# KiCad board LI-ION_Charger.kicad_pcb (continued)
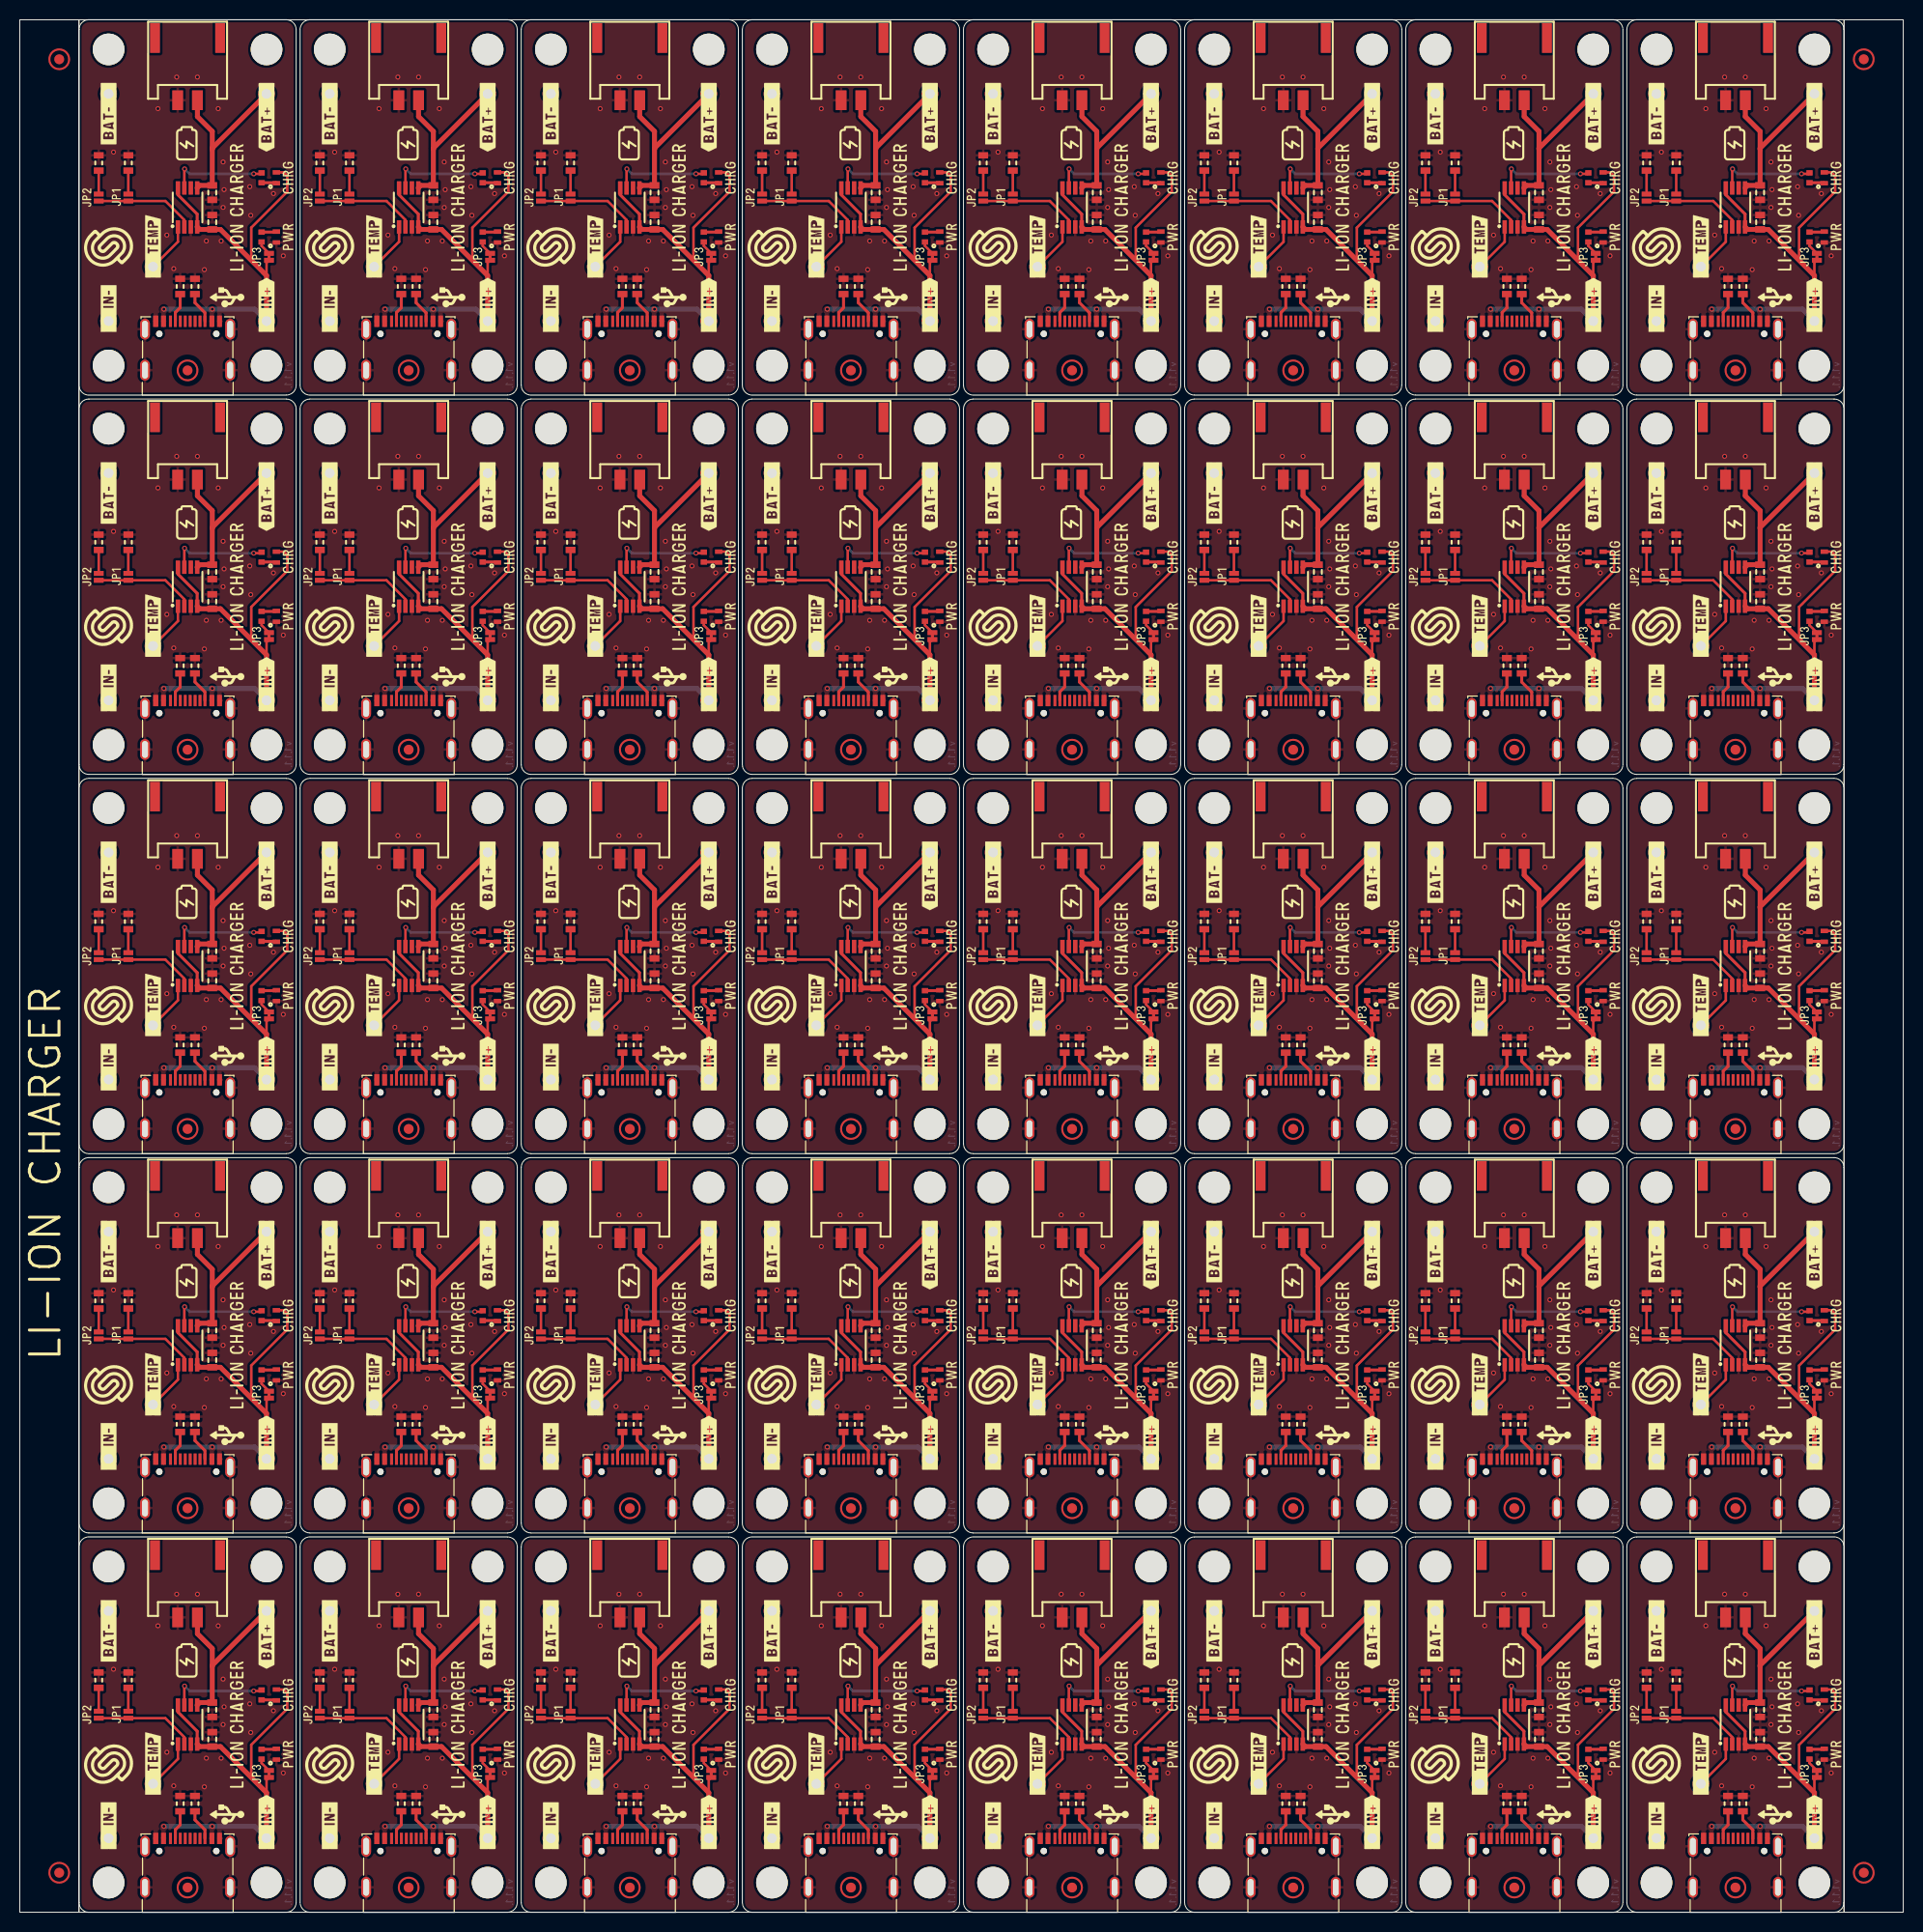
[diagram p0: board, top side]
## Nets (continued)
Net-(K1-PadB5): K1.B5 K1#2.B5 K1#3.B5 K1#4.B5 K1#5.B5 K1#6.B5 K1#7.B5 K1#8.B5 K1#9.B5 K1#10.B5 K1#11.B5 K1#12.B5 K1#13.B5 K1#14.B5 K1#15.B5 K1#16.B5 K1#17.B5 K1#18.B5 K1#19.B5 K1#20.B5 K1#21.B5 K1#22.B5 K1#23.B5 K1#24.B5 K1#25.B5 K1#26.B5 K1#27.B5 K1#28.B5 K1#29.B5 K1#30.B5 K1#31.B5 K1#32.B5 K1#33.B5 K1#34.B5 K1#35.B5 K1#36.B5 K1#37.B5 K1#38.B5 K1#39.B5 K1#40.B5 R1.1 R1#2.1 R1#3.1 R1#4.1 R1#5.1 R1#6.1 R1#7.1 R1#8.1 R1#9.1 R1#10.1 R1#11.1 R1#12.1 R1#13.1 R1#14.1 R1#15.1 R1#16.1 R1#17.1 R1#18.1 R1#19.1 R1#20.1 R1#21.1 R1#22.1 R1#23.1 R1#24.1 R1#25.1 R1#26.1 R1#27.1 R1#28.1 R1#29.1 R1#30.1 R1#31.1 R1#32.1 R1#33.1 R1#34.1 R1#35.1 R1#36.1 R1#37.1 R1#38.1 R1#39.1 R1#40.1
Net-(R5-Pad1): R5.1 R5#2.1 R5#3.1 R5#4.1 R5#5.1 R5#6.1 R5#7.1 R5#8.1 R5#9.1 R5#10.1 R5#11.1 R5#12.1 R5#13.1 R5#14.1 R5#15.1 R5#16.1 R5#17.1 R5#18.1 R5#19.1 R5#20.1 R5#21.1 R5#22.1 R5#23.1 R5#24.1 R5#25.1 R5#26.1 R5#27.1 R5#28.1 R5#29.1 R5#30.1 R5#31.1 R5#32.1 R5#33.1 R5#34.1 R5#35.1 R5#36.1 R5#37.1 R5#38.1 R5#39.1 R5#40.1 U1.7 U1#2.7 U1#3.7 U1#4.7 U1#5.7 U1#6.7 U1#7.7 U1#8.7 U1#9.7 U1#10.7 U1#11.7 U1#12.7 U1#13.7 U1#14.7 U1#15.7 U1#16.7 U1#17.7 U1#18.7 U1#19.7 U1#20.7 U1#21.7 U1#22.7 U1#23.7 U1#24.7 U1#25.7 U1#26.7 U1#27.7 U1#28.7 U1#29.7 U1#30.7 U1#31.7 U1#32.7 U1#33.7 U1#34.7 U1#35.7 U1#36.7 U1#37.7 U1#38.7 U1#39.7 U1#40.7

Pads without a net: FD1 1; FD1#2 1; FD1#3 1; FD1#4 1; FD1#5 1; FD1#6 1; FD1#7 1; FD1#8 1; FD1#9 1; FD1#10 1; FD1#11 1; FD1#12 1; FD1#13 1; FD1#14 1; FD1#15 1; FD1#16 1; FD1#17 1; FD1#18 1; FD1#19 1; FD1#20 1; FD1#21 1; FD1#22 1; FD1#23 1; FD1#24 1; FD1#25 1; FD1#26 1; FD1#27 1; FD1#28 1; FD1#29 1; FD1#30 1; FD1#31 1; FD1#32 1; FD1#33 1; FD1#34 1; FD1#35 1; FD1#36 1; FD1#37 1; FD1#38 1; FD1#39 1; FD1#40 1; FD1#41 1; FD1#42 1; FD1#43 1; FD1#44 1; K1 A6 A7 A8 B6 B7 B8; K1#2 A6 A7 A8 B6 B7 B8; K1#3 A6 A7 A8 B6 B7 B8; K1#4 A6 A7 A8 B6 B7 B8; K1#5 A6 A7 A8 B6 B7 B8; K1#6 A6 A7 A8 B6 B7 B8; K1#7 A6 A7 A8 B6 B7 B8; K1#8 A6 A7 A8 B6 B7 B8; K1#9 A6 A7 A8 B6 B7 B8; K1#10 A6 A7 A8 B6 B7 B8; K1#11 A6 A7 A8 B6 B7 B8; K1#12 A6 A7 A8 B6 B7 B8; K1#13 A6 A7 A8 B6 B7 B8; K1#14 A6 A7 A8 B6 B7 B8; K1#15 A6 A7 A8 B6 B7 B8; K1#16 A6 A7 A8 B6 B7 B8; K1#17 A6 A7 A8 B6 B7 B8; K1#18 A6 A7 A8 B6 B7 B8; K1#19 A6 A7 A8 B6 B7 B8; K1#20 A6 A7 A8 B6 B7 B8; K1#21 A6 A7 A8 B6 B7 B8; K1#22 A6 A7 A8 B6 B7 B8; K1#23 A6 A7 A8 B6 B7 B8; K1#24 A6 A7 A8 B6 B7 B8; K1#25 A6 A7 A8 B6 B7 B8; K1#26 A6 A7 A8 B6 B7 B8; K1#27 A6 A7 A8 B6 B7 B8; K1#28 A6 A7 A8 B6 B7 B8; K1#29 A6 A7 A8 B6 B7 B8; K1#30 A6 A7 A8 B6 B7 B8; K1#31 A6 A7 A8 B6 B7 B8; K1#32 A6 A7 A8 B6 B7 B8; K1#33 A6 A7 A8 B6 B7 B8; K1#34 A6 A7 A8 B6 B7 B8; K1#35 A6 A7 A8 B6 B7 B8; K1#36 A6 A7 A8 B6 B7 B8; K1#37 A6 A7 A8 B6 B7 B8; K1#38 A6 A7 A8 B6 B7 B8; K1#39 A6 A7 A8 B6 B7 B8; K1#40 A6 A7 A8 B6 B7 B8; U1 6; U1#2 6; U1#3 6; U1#4 6; U1#5 6; U1#6 6; U1#7 6; U1#8 6; U1#9 6; U1#10 6; U1#11 6; U1#12 6; U1#13 6; U1#14 6; U1#15 6; U1#16 6; U1#17 6; U1#18 6; U1#19 6; U1#20 6; U1#21 6; U1#22 6; U1#23 6; U1#24 6; U1#25 6; U1#26 6; U1#27 6; U1#28 6; U1#29 6; U1#30 6; U1#31 6; U1#32 6; U1#33 6; U1#34 6; U1#35 6; U1#36 6; U1#37 6; U1#38 6; U1#39 6; U1#40 6

## Via types
v1: diameter 0.5, hole 0.3, Top to Bottom, 840 vias

## Routing (per net, layer and track width the routed paths; a pad name or vN(x,y) marks a point on that pad's centre or on a via; arc(x,y) is an arc through that point)
GND:
  vias: v1(9.5,178.2) v1(9.5,139.8) v1(9.5,101.4) v1(9.5,63) v1(9.5,24.6) v1(14,182.6) v1(14,144.2) v1(14,105.8) v1(14,67.4) v1(14,29) v1(14.9,169.8) v1(14.9,131.4) v1(14.9,93) v1(14.9,54.6) v1(14.9,16.2) v1(15.6,166.4) v1(15.6,128) v1(15.6,89.6) v1(15.6,51.2) v1(15.6,12.8) v1(15.9,185.8) v1(15.9,147.4) v1(15.9,109) v1(15.9,70.6) v1(15.9,32.2) v1(18,185.8) v1(18,147.4) v1(18,109) v1(18,70.6) v1(18,32.2) v1(18.7,166.3) v1(18.7,127.9) v1(18.7,89.5) v1(18.7,51.1) v1(18.7,12.7) v1(18.9,169.2) v1(18.9,130.8) v1(18.9,92.4) v1(18.9,54) v1(18.9,15.6) v1(20.1,182.6) v1(20.1,144.2) v1(20.1,105.8) v1(20.1,67.4) v1(20.1,29) v1(20.4,169.2) v1(20.4,130.8) v1(20.4,92.4) v1(20.4,54) v1(20.4,15.6) v1(20.6,177.2) v1(20.6,172.6) v1(20.6,138.8) v1(20.6,134.2) v1(20.6,100.4) v1(20.6,95.8) v1(20.6,62) v1(20.6,57.4) v1(20.6,23.6) v1(20.6,19) v1(20.7,174.4) v1(20.7,136) v1(20.7,97.6) v1(20.7,59.2) v1(20.7,20.8) v1(23.3,174.7) v1(23.3,136.3) v1(23.3,97.9) v1(23.3,59.5) v1(23.3,21.1) v1(23.4,171.8) v1(23.4,133.4) v1(23.4,95) v1(23.4,56.6) v1(23.4,18.2) v1(25.7,174) v1(25.7,135.6) v1(25.7,97.2) v1(25.7,58.8) v1(25.7,20.4) v1(26.7,167.7) v1(26.7,129.3) v1(26.7,90.9) v1(26.7,52.5) v1(26.7,14.1) v1(31.9,178.2) v1(31.9,139.8) v1(31.9,101.4) v1(31.9,63) v1(31.9,24.6) v1(36.4,182.6) v1(36.4,144.2) v1(36.4,105.8) v1(36.4,67.4) v1(36.4,29) v1(37.3,169.8) v1(37.3,131.4) v1(37.3,93) v1(37.3,54.6) v1(37.3,16.2) v1(38,166.4) v1(38,128) v1(38,89.6) v1(38,51.2) v1(38,12.8) v1(38.3,185.8) v1(38.3,147.4) v1(38.3,109) v1(38.3,70.6) v1(38.3,32.2) v1(40.4,185.8) v1(40.4,147.4) v1(40.4,109) v1(40.4,70.6) v1(40.4,32.2) v1(41.1,166.3) v1(41.1,127.9) v1(41.1,89.5) v1(41.1,51.1) v1(41.1,12.7) v1(41.3,169.2) v1(41.3,130.8) v1(41.3,92.4) v1(41.3,54) v1(41.3,15.6) v1(42.5,182.6) v1(42.5,144.2) v1(42.5,105.8) v1(42.5,67.4) v1(42.5,29) v1(42.8,169.2) v1(42.8,130.8) v1(42.8,92.4) v1(42.8,54) v1(42.8,15.6) v1(43,177.2) v1(43,172.6) v1(43,138.8) v1(43,134.2) v1(43,100.4) v1(43,95.8) v1(43,62) v1(43,57.4) v1(43,23.6) v1(43,19) v1(43.1,174.4) v1(43.1,136) v1(43.1,97.6) v1(43.1,59.2) v1(43.1,20.8) v1(45.7,174.7) v1(45.7,136.3) v1(45.7,97.9) v1(45.7,59.5) v1(45.7,21.1) v1(45.8,171.8) v1(45.8,133.4) v1(45.8,95) v1(45.8,56.6) v1(45.8,18.2) v1(48.1,174) v1(48.1,135.6) v1(48.1,97.2) v1(48.1,58.8) v1(48.1,20.4) v1(49.1,167.7) v1(49.1,129.3) v1(49.1,90.9) v1(49.1,52.5) v1(49.1,14.1) v1(54.3,178.2) v1(54.3,139.8) v1(54.3,101.4) v1(54.3,63) v1(54.3,24.6) v1(58.8,182.6) v1(58.8,144.2) v1(58.8,105.8) v1(58.8,67.4) v1(58.8,29) v1(59.7,169.8) v1(59.7,131.4) v1(59.7,93) v1(59.7,54.6) v1(59.7,16.2) v1(60.4,166.4) v1(60.4,128) v1(60.4,89.6) v1(60.4,51.2) v1(60.4,12.8) v1(60.7,185.8) v1(60.7,147.4) v1(60.7,109) v1(60.7,70.6) v1(60.7,32.2) v1(62.8,185.8) v1(62.8,147.4) v1(62.8,109) v1(62.8,70.6) v1(62.8,32.2) v1(63.5,166.3) v1(63.5,127.9) v1(63.5,89.5) v1(63.5,51.1) v1(63.5,12.7) v1(63.7,169.2) v1(63.7,130.8) v1(63.7,92.4) v1(63.7,54) v1(63.7,15.6) v1(64.9,182.6) v1(64.9,144.2) v1(64.9,105.8) v1(64.9,67.4) v1(64.9,29) v1(65.2,169.2) v1(65.2,130.8) v1(65.2,92.4) v1(65.2,54) v1(65.2,15.6) v1(65.4,177.2) v1(65.4,172.6) v1(65.4,138.8) v1(65.4,134.2) v1(65.4,100.4) v1(65.4,95.8) v1(65.4,62) v1(65.4,57.4) v1(65.4,23.6) v1(65.4,19) v1(65.5,174.4) v1(65.5,136) v1(65.5,97.6) v1(65.5,59.2) v1(65.5,20.8) v1(68.1,174.7) v1(68.1,136.3) v1(68.1,97.9) v1(68.1,59.5) v1(68.1,21.1) v1(68.2,171.8) v1(68.2,133.4) v1(68.2,95) v1(68.2,56.6) v1(68.2,18.2) v1(70.5,174) v1(70.5,135.6) v1(70.5,97.2) v1(70.5,58.8) v1(70.5,20.4) v1(71.5,167.7) v1(71.5,129.3) v1(71.5,90.9) v1(71.5,52.5) v1(71.5,14.1) v1(76.7,178.2) v1(76.7,139.8) v1(76.7,101.4) v1(76.7,63) v1(76.7,24.6) v1(81.2,182.6) v1(81.2,144.2) v1(81.2,105.8) v1(81.2,67.4) v1(81.2,29) v1(82.1,169.8) v1(82.1,131.4) v1(82.1,93) v1(82.1,54.6) v1(82.1,16.2) v1(82.8,166.4) v1(82.8,128) v1(82.8,89.6) v1(82.8,51.2) v1(82.8,12.8) v1(83.1,185.8) v1(83.1,147.4) v1(83.1,109) v1(83.1,70.6) v1(83.1,32.2) v1(85.2,185.8) v1(85.2,147.4) v1(85.2,109) v1(85.2,70.6) v1(85.2,32.2) v1(85.9,166.3) v1(85.9,127.9) v1(85.9,89.5) v1(85.9,51.1) v1(85.9,12.7) v1(86.1,169.2) v1(86.1,130.8) v1(86.1,92.4) v1(86.1,54) v1(86.1,15.6) v1(87.3,182.6) v1(87.3,144.2) v1(87.3,105.8) v1(87.3,67.4) v1(87.3,29) v1(87.6,169.2) v1(87.6,130.8) v1(87.6,92.4) v1(87.6,54) v1(87.6,15.6) v1(87.8,177.2) v1(87.8,172.6) v1(87.8,138.8) v1(87.8,134.2) v1(87.8,100.4) v1(87.8,95.8) v1(87.8,62) v1(87.8,57.4) v1(87.8,23.6) v1(87.8,19) v1(87.9,174.4) v1(87.9,136) v1(87.9,97.6) v1(87.9,59.2) v1(87.9,20.8) v1(90.5,174.7) v1(90.5,136.3) v1(90.5,97.9) v1(90.5,59.5) v1(90.5,21.1) v1(90.6,171.8) v1(90.6,133.4) v1(90.6,95) v1(90.6,56.6) v1(90.6,18.2) v1(92.9,174) v1(92.9,135.6) v1(92.9,97.2) v1(92.9,58.8) v1(92.9,20.4) v1(93.9,167.7) v1(93.9,129.3) v1(93.9,90.9) v1(93.9,52.5) v1(93.9,14.1) v1(99.1,178.2) v1(99.1,139.8) v1(99.1,101.4) v1(99.1,63) v1(99.1,24.6) v1(103.6,182.6) v1(103.6,144.2) v1(103.6,105.8) v1(103.6,67.4) v1(103.6,29) v1(104.5,169.8) v1(104.5,131.4) v1(104.5,93) v1(104.5,54.6) v1(104.5,16.2) v1(105.2,166.4) v1(105.2,128) v1(105.2,89.6) v1(105.2,51.2) v1(105.2,12.8) v1(105.5,185.8) v1(105.5,147.4) v1(105.5,109) v1(105.5,70.6) v1(105.5,32.2) v1(107.6,185.8) v1(107.6,147.4) v1(107.6,109) v1(107.6,70.6) v1(107.6,32.2) v1(108.3,166.3) v1(108.3,127.9) v1(108.3,89.5) v1(108.3,51.1) v1(108.3,12.7) v1(108.5,169.2) v1(108.5,130.8) v1(108.5,92.4) v1(108.5,54) v1(108.5,15.6) v1(109.7,182.6) v1(109.7,144.2) v1(109.7,105.8) v1(109.7,67.4) v1(109.7,29) v1(110,169.2) v1(110,130.8) v1(110,92.4) v1(110,54) v1(110,15.6) v1(110.2,177.2) v1(110.2,172.6) v1(110.2,138.8) v1(110.2,134.2) v1(110.2,100.4) v1(110.2,95.8) v1(110.2,62) v1(110.2,57.4) v1(110.2,23.6) v1(110.2,19) v1(110.3,174.4) v1(110.3,136) v1(110.3,97.6) v1(110.3,59.2) v1(110.3,20.8) v1(112.9,174.7) v1(112.9,136.3) v1(112.9,97.9) v1(112.9,59.5) v1(112.9,21.1) v1(113,171.8) v1(113,133.4) v1(113,95) v1(113,56.6) v1(113,18.2) v1(115.3,174) v1(115.3,135.6) v1(115.3,97.2) v1(115.3,58.8) v1(115.3,20.4) v1(116.3,167.7) v1(116.3,129.3) v1(116.3,90.9) v1(116.3,52.5) v1(116.3,14.1) v1(121.5,178.2) v1(121.5,139.8) v1(121.5,101.4) v1(121.5,63) v1(121.5,24.6) v1(126,182.6) v1(126,144.2) v1(126,105.8) v1(126,67.4) v1(126,29) v1(126.9,169.8) v1(126.9,131.4) v1(126.9,93) v1(126.9,54.6) v1(126.9,16.2) v1(127.6,166.4) v1(127.6,128) v1(127.6,89.6) v1(127.6,51.2) v1(127.6,12.8) v1(127.9,185.8) v1(127.9,147.4) v1(127.9,109) v1(127.9,70.6) v1(127.9,32.2) v1(130,185.8) v1(130,147.4) v1(130,109) v1(130,70.6) v1(130,32.2) v1(130.7,166.3) v1(130.7,127.9) v1(130.7,89.5) v1(130.7,51.1) v1(130.7,12.7) v1(130.9,169.2) v1(130.9,130.8) v1(130.9,92.4) v1(130.9,54) v1(130.9,15.6) v1(132.1,182.6) v1(132.1,144.2) v1(132.1,105.8) v1(132.1,67.4) v1(132.1,29) v1(132.4,169.2) v1(132.4,130.8) v1(132.4,92.4) v1(132.4,54) v1(132.4,15.6) v1(132.6,177.2) v1(132.6,172.6) v1(132.6,138.8) v1(132.6,134.2) v1(132.6,100.4) v1(132.6,95.8) v1(132.6,62) v1(132.6,57.4) v1(132.6,23.6) v1(132.6,19) v1(132.7,174.4) v1(132.7,136) v1(132.7,97.6) v1(132.7,59.2) v1(132.7,20.8) v1(135.3,174.7) v1(135.3,136.3) v1(135.3,97.9) v1(135.3,59.5) v1(135.3,21.1) v1(135.4,171.8) v1(135.4,133.4) v1(135.4,95) v1(135.4,56.6) v1(135.4,18.2) v1(137.7,174) v1(137.7,135.6) v1(137.7,97.2) v1(137.7,58.8) v1(137.7,20.4) v1(138.7,167.7) v1(138.7,129.3) v1(138.7,90.9) v1(138.7,52.5) v1(138.7,14.1) v1(143.9,178.2) v1(143.9,139.8) v1(143.9,101.4) v1(143.9,63) v1(143.9,24.6) v1(148.4,182.6) v1(148.4,144.2) v1(148.4,105.8) v1(148.4,67.4) v1(148.4,29) v1(149.3,169.8) v1(149.3,131.4) v1(149.3,93) v1(149.3,54.6) v1(149.3,16.2) v1(150,166.4) v1(150,128) v1(150,89.6) v1(150,51.2) v1(150,12.8) v1(150.3,185.8) v1(150.3,147.4) v1(150.3,109) v1(150.3,70.6) v1(150.3,32.2) v1(152.4,185.8) v1(152.4,147.4) v1(152.4,109) v1(152.4,70.6) v1(152.4,32.2) v1(153.1,166.3) v1(153.1,127.9) v1(153.1,89.5) v1(153.1,51.1) v1(153.1,12.7) v1(153.3,169.2) v1(153.3,130.8) v1(153.3,92.4) v1(153.3,54) v1(153.3,15.6) v1(154.5,182.6) v1(154.5,144.2) v1(154.5,105.8) v1(154.5,67.4) v1(154.5,29) v1(154.8,169.2) v1(154.8,130.8) v1(154.8,92.4) v1(154.8,54) v1(154.8,15.6) v1(155,177.2) v1(155,172.6) v1(155,138.8) v1(155,134.2) v1(155,100.4) v1(155,95.8) v1(155,62) v1(155,57.4) v1(155,23.6) v1(155,19) v1(155.1,174.4) v1(155.1,136) v1(155.1,97.6) v1(155.1,59.2) v1(155.1,20.8) v1(157.7,174.7) v1(157.7,136.3) v1(157.7,97.9) v1(157.7,59.5) v1(157.7,21.1) v1(157.8,171.8) v1(157.8,133.4) v1(157.8,95) v1(157.8,56.6) v1(157.8,18.2) v1(160.1,174) v1(160.1,135.6) v1(160.1,97.2) v1(160.1,58.8) v1(160.1,20.4) v1(161.1,167.7) v1(161.1,129.3) v1(161.1,90.9) v1(161.1,52.5) v1(161.1,14.1) v1(166.3,178.2) v1(166.3,139.8) v1(166.3,101.4) v1(166.3,63) v1(166.3,24.6) v1(170.8,182.6) v1(170.8,144.2) v1(170.8,105.8) v1(170.8,67.4) v1(170.8,29) v1(171.7,169.8) v1(171.7,131.4) v1(171.7,93) v1(171.7,54.6) v1(171.7,16.2) v1(172.4,166.4) v1(172.4,128) v1(172.4,89.6) v1(172.4,51.2) v1(172.4,12.8) v1(172.7,185.8) v1(172.7,147.4) v1(172.7,109) v1(172.7,70.6) v1(172.7,32.2) v1(174.8,185.8) v1(174.8,147.4) v1(174.8,109) v1(174.8,70.6) v1(174.8,32.2) v1(175.5,166.3) v1(175.5,127.9) v1(175.5,89.5) v1(175.5,51.1) v1(175.5,12.7) v1(175.7,169.2) v1(175.7,130.8) v1(175.7,92.4) v1(175.7,54) v1(175.7,15.6) v1(176.9,182.6) v1(176.9,144.2) v1(176.9,105.8) v1(176.9,67.4) v1(176.9,29) v1(177.2,169.2) v1(177.2,130.8) v1(177.2,92.4) v1(177.2,54) v1(177.2,15.6) v1(177.4,177.2) v1(177.4,172.6) v1(177.4,138.8) v1(177.4,134.2) v1(177.4,100.4) v1(177.4,95.8) v1(177.4,62) v1(177.4,57.4) v1(177.4,23.6) v1(177.4,19) v1(177.5,174.4) v1(177.5,136) v1(177.5,97.6) v1(177.5,59.2) v1(177.5,20.8) v1(180.1,174.7) v1(180.1,136.3) v1(180.1,97.9) v1(180.1,59.5) v1(180.1,21.1) v1(180.2,171.8) v1(180.2,133.4) v1(180.2,95) v1(180.2,56.6) v1(180.2,18.2) v1(182.5,174) v1(182.5,135.6) v1(182.5,97.2) v1(182.5,58.8) v1(182.5,20.4) v1(183.5,167.7) v1(183.5,129.3) v1(183.5,90.9) v1(183.5,52.5) v1(183.5,14.1)
VBAT: length 750
  Top w0.5: 153.9,101.7 153.9,101.8 K5#26.1 ; 153.9,101.7 C2#7.2 152.63,98.03 U1#8.5 ; 153.9,101.7 153.9,103.5 152.4,105 K7#9.1 ; U1#32.5 107.83,174.83 C2#14.2 109.1,178.5 ; K7#40.1 85.2,105 86.7,103.5 86.7,101.7 ; K5#4.1 64.3,101.8 64.3,101.7 ; K5#18.1 176.3,178.6 176.3,178.5 ; U1#14.5 40.63,136.43 C2#11.2 41.9,140.1 ; 86.7,101.7 C2#10.2 85.43,98.03 85.18,97.78 ; 86.7,101.7 86.7,101.8 K5#15.1 ; 64.3,101.7 C2#9.2 63.03,98.03 U1#7.5 ; 64.3,101.7 64.3,103.5 62.8,105 K7#19.1 ; 152.38,20.98 152.63,21.23 C2#3.2 153.9,24.9 ; 131.5,101.7 131.5,103.5 130,105 K7#10.1 ; 131.5,101.7 131.5,101.8 K5#23.1 ; 131.5,101.7 C2#18.2 130.23,98.03 U1#35.5 ; 153.9,140.1 153.9,140.2 K5#35.1 ; 153.9,140.1 153.9,141.9 152.4,143.4 K7#39.1 ; 153.9,140.1 C2#27.2 152.63,136.43 U1#37.5 ; 41.9,178.5 41.9,180.3 40.4,181.8 K7#35.1 ; 41.9,178.5 41.9,178.6 K5#9.1 ; 41.9,178.5 C2#24.2 40.63,174.83 U1#13.5 ; K5#6.1 64.3,63.4 64.3,63.3 ; 19.5,178.5 19.5,178.6 K5#31.1 ; 19.5,178.5 19.5,180.3 18,181.8 K7#21.1 ; 19.5,178.5 C2#23.2 18.23,174.83 U1#30.5 ; 176.3,24.9 176.3,26.7 174.8,28.2 K7#34.1 ; 176.3,24.9 C2#25.2 175.03,21.23 174.77,20.98 ; 176.3,24.9 176.3,25 K5#17.1 ; 64.3,63.3 64.3,65.1 62.8,66.6 K7#14.1 ; 64.3,63.3 C2#33.2 63.03,59.63 U1#29.5 ; K7#3.1 174.8,105 176.3,103.5 176.3,101.7 ; K7#5.1 85.2,66.6 86.7,65.1 86.7,63.3 ; 19.5,24.9 19.5,26.7 18,28.2 K7#16.1 ; 19.5,24.9 C2#22.2 18.23,21.23 17.97,20.98 ; 19.5,24.9 19.5,25 K5#28.1 ; 174.77,97.78 175.03,98.03 C2#20.2 176.3,101.7 ; K7#31.1 18,66.6 19.5,65.1 19.5,63.3 ; 109.1,140.1 C2#5.2 107.83,136.43 U1#18.5 ; 109.1,140.1 109.1,140.2 K5#29.1 ; 109.1,140.1 109.1,141.9 107.6,143.4 K7#23.1 ; 64.3,178.5 64.3,178.6 K5#34.1 ; 64.3,178.5 64.3,180.3 62.8,181.8 K7#11.1 ; 64.3,178.5 C2.2 63.03,174.83 U1#22.5 ; K5#27.1 86.7,63.4 86.7,63.3 ; 64.3,24.9 64.3,25 K5#14.1 ; 64.3,24.9 64.3,26.7 62.8,28.2 K7#33.1 ; 64.3,24.9 C2#21.2 63.03,21.23 62.78,20.98 ; 174.77,59.38 175.03,59.63 C2#40.2 176.3,63.3 ; 86.7,24.9 86.7,26.7 85.2,28.2 K7#30.1 ; 86.7,24.9 86.7,25 K5#21.1 ; 86.7,24.9 C2#32.2 85.43,21.23 85.18,20.98 ; K5#22.1 153.9,25 153.9,24.9 ; 153.9,24.9 153.9,26.7 152.4,28.2 K7#17.1 ; 41.9,101.7 41.9,101.8 K5#2.1 ; 41.9,101.7 C2#4.2 40.63,98.03 U1#20.5 ; 41.9,101.7 41.9,103.5 40.4,105 K7#15.1 ; U1#4.5 40.63,59.63 C2#29.2 41.9,63.3 ; 174.77,136.18 175.03,136.43 C2#34.2 176.3,140.1 ; K7#36.1 107.6,28.2 109.1,26.7 109.1,24.9 ; 109.1,63.3 109.1,65.1 107.6,66.6 K7#27.1 ; 109.1,63.3 109.1,63.4 K5#25.1 ; 109.1,63.3 C2#37.2 107.83,59.63 U1#15.5 ; 174.77,174.58 175.03,174.83 C2#2.2 176.3,178.5 ; 131.5,140.1 131.5,140.2 K5#37.1 ; 131.5,140.1 131.5,141.9 130,143.4 K7#18.1 ; 131.5,140.1 C2#35.2 130.23,136.43 U1#27.5 ; 86.7,178.5 86.7,180.3 85.2,181.8 K7#6.1 ; 86.7,178.5 86.7,178.6 K5#13.1 ; 86.7,178.5 C2#12.2 85.43,174.83 85.18,174.58 ; 176.3,101.7 176.3,101.8 K5#30.1 ; 19.5,101.7 19.5,103.5 18,105 K7#28.1 ; 19.5,101.7 19.5,101.8 K5#12.1 ; 19.5,101.7 C2#17.2 18.23,98.03 U1#23.5 ; U1#39.5 152.63,174.83 C2#30.2 153.9,178.5 ; 19.5,63.3 C2#13.2 18.23,59.63 U1#6.5 ; 19.5,63.3 19.5,63.4 K5#33.1 ; 176.3,63.3 176.3,63.4 K5#39.1 ; 176.3,63.3 176.3,65.1 174.8,66.6 K7#2.1 ; 109.1,101.7 109.1,103.5 107.6,105 K7.1 ; 109.1,101.7 109.1,101.8 K5#16.1 ; 109.1,101.7 C2#6.2 107.83,98.03 U1#3.5 ; U1#40.5 130.23,59.63 C2#15.2 131.5,63.3 ; K5#11.1 86.7,140.2 86.7,140.1 ; 131.5,178.5 131.5,180.3 130,181.8 K7#22.1 ; 131.5,178.5 131.5,178.6 K5#40.1 ; 131.5,178.5 C2#19.2 130.23,174.83 U1.5 ; 176.3,178.5 176.3,180.3 174.8,181.8 K7#26.1 ; 131.5,63.3 131.5,63.4 K5#24.1 ; 131.5,63.3 131.5,65.1 130,66.6 K7#29.1 ; 107.57,20.98 107.83,21.23 C2#39.2 109.1,24.9 ; K7#8.1 152.4,66.6 153.9,65.1 153.9,63.3 ; K5#20.1 64.3,140.2 64.3,140.1 ; 109.1,24.9 109.1,25 K5#5.1 ; 86.7,63.3 C2#38.2 85.43,59.63 85.18,59.38 ; K7#12.1 130,28.2 131.5,26.7 131.5,24.9 ; 19.5,140.1 C2#36.2 18.23,136.43 U1#10.5 ; 19.5,140.1 19.5,141.9 18,143.4 K7#37.1 ; 19.5,140.1 19.5,140.2 K5#3.1 ; 64.3,140.1 C2#8.2 63.03,136.43 U1#28.5 ; 64.3,140.1 64.3,141.9 62.8,143.4 K7#20.1 ; 153.9,63.3 C2#26.2 152.63,59.63 U1#19.5 ; 153.9,63.3 153.9,63.4 K5.1 ; 85.18,136.18 85.43,136.43 C2#28.2 86.7,140.1 ; K7#4.1 40.4,28.2 41.9,26.7 41.9,24.9 ; 176.3,140.1 176.3,140.2 K5#19.1 ; 176.3,140.1 176.3,141.9 174.8,143.4 K7#25.1 ; K5#38.1 131.5,25 131.5,24.9 ; K7#38.1 107.6,181.8 109.1,180.3 109.1,178.5 ; 109.1,178.5 109.1,178.6 K5#32.1 ; 41.9,140.1 41.9,141.9 40.4,143.4 K7#24.1 ; 41.9,140.1 41.9,140.2 K5#36.1 ; 41.9,24.9 C2#16.2 40.63,21.23 40.38,20.98 ; 41.9,24.9 41.9,25 K5#10.1 ; 129.97,20.98 130.23,21.23 C2#31.2 131.5,24.9 ; 153.9,178.5 153.9,178.6 K5#8.1 ; 153.9,178.5 153.9,180.3 152.4,181.8 K7#7.1 ; 41.9,63.3 41.9,63.4 K5#7.1 ; 41.9,63.3 41.9,65.1 40.4,66.6 K7#32.1 ; K7#13.1 85.2,143.4 86.7,141.9 86.7,140.1
PROG: length 406.9
  Top w0.254: JP2#2.2 JP1#33.2 59.55,96.45 61.47,94.53 U1#7.2 ; JP2#19.2 JP1#27.2 171.55,19.65 173.48,17.73 U1#2.2 ; JP2#18.2 JP1#20.2 59.55,134.85 61.47,132.93 61.47,132.23 ; JP2#4.2 JP1#15.2 37.15,96.45 39.08,94.53 U1#20.2 ; JP2#11.2 JP1#30.2 81.95,58.05 83.88,56.12 U1#34.2 ; JP2#14.2 JP1#21.2 149.15,134.85 151.07,132.93 151.07,132.23 ; JP2#37.2 JP1#29.2 126.75,173.25 128.68,171.33 U1.2 ; U1#32.2 106.28,171.33 104.35,173.25 JP1#11.2 JP2#39.2 ; 128.68,132.23 128.68,132.93 126.75,134.85 JP1#34.2 JP2#3.2 ; JP2#23.2 JP1#28.2 126.75,58.05 128.68,56.12 U1#40.2 ; 173.48,132.23 173.48,132.93 171.55,134.85 JP1#26.2 JP2#9.2 ; U1#39.2 151.07,171.33 149.15,173.25 JP1#32.2 JP2#24.2 ; U1#21.2 83.88,94.53 81.95,96.45 JP1.2 JP2#22.2 ; U1#26.2 83.88,17.73 81.95,19.65 JP1#25.2 JP2#16.2 ; U1#30.2 16.67,171.33 14.75,173.25 JP1#7.2 JP2#32.2 ; JP2#12.2 JP1#18.2 171.55,96.45 173.48,94.53 U1#12.2 ; U1#33.2 83.88,171.33 81.95,173.25 JP1#10.2 JP2#28.2 ; JP2#40.2 JP1#17.2 171.55,58.05 173.48,56.12 U1#36.2 ; JP2#6.2 JP1#5.2 104.35,96.45 106.28,94.53 U1#3.2 ; U1#24.2 16.67,17.73 14.75,19.65 JP1#24.2 JP2#25.2 ; U1#25.2 173.48,171.33 171.55,173.25 JP1#4.2 JP2#10.2 ; JP2#21.2 JP1#23.2 59.55,19.65 61.47,17.73 U1#38.2 ; U1#16.2 151.07,17.73 149.15,19.65 JP1#8.2 JP2#17.2 ; U1#11.2 128.68,17.73 126.75,19.65 JP1#6.2 JP2#5.2 ; JP2#34.2 JP1#12.2 37.15,173.25 39.08,171.33 U1#13.2 ; JP2#29.2 JP1#35.2 14.75,134.85 16.67,132.93 16.67,132.23 ; U1#23.2 16.67,94.53 14.75,96.45 JP1#40.2 JP2#35.2 ; JP2#15.2 JP1#22.2 149.15,96.45 151.07,94.53 U1#8.2 ; JP2#27.2 JP1#39.2 104.35,19.65 106.28,17.73 U1#9.2 ; JP2#20.2 JP1#9.2 37.15,58.05 39.08,56.12 U1#4.2 ; 83.88,132.23 83.88,132.93 81.95,134.85 JP1#31.2 JP2#38.2 ; U1#19.2 151.07,56.12 149.15,58.05 JP1#2.2 JP2#13.2 ; JP2#7.2 JP1#14.2 14.75,58.05 16.67,56.12 U1#6.2 ; 106.28,132.23 106.28,132.93 104.35,134.85 JP1#13.2 JP2.2 ; U1#31.2 39.08,17.73 37.15,19.65 JP1#36.2 JP2#30.2 ; U1#35.2 128.68,94.53 126.75,96.45 JP1#37.2 JP2#8.2 ; 39.08,132.23 39.08,132.93 37.15,134.85 JP1#19.2 JP2#36.2 ; JP2#31.2 JP1#3.2 104.35,58.05 106.28,56.12 U1#15.2 ; JP2#26.2 JP1#16.2 59.55,173.25 61.47,171.33 U1#22.2 ; JP2#33.2 JP1#38.2 59.55,58.05 61.47,56.12 U1#29.2
TEMP: length 202.8
  Top w0.254: U1#40.1 128.03,53.93 K4#3.1 ; 38.42,132.23 38.42,130.73 K4#5.1 ; 38.42,17.03 38.42,15.53 K4#26.1 ; K4#8.1 38.42,169.12 38.42,170.62 ; U1#21.1 83.22,92.33 K4#14.1 ; U1#33.1 83.22,169.12 K4#22.1 ; U1#39.1 150.43,169.12 K4#31.1 ; K4#17.1 172.82,15.53 U1#2.1 ; K4#20.1 105.62,53.93 U1#15.1 ; U1#34.1 83.22,53.93 K4#24.1 ; K4#25.1 128.03,92.33 U1#35.1 ; U1#6.1 16.03,53.93 K4#36.1 ; K4#18.1 105.62,169.12 U1#32.1 ; K4#13.1 60.82,53.93 60.82,55.43 ; U1#24.1 16.03,15.53 K4#40.1 ; 105.62,132.23 105.62,130.73 K4#35.1 ; K4#19.1 150.43,53.93 U1#19.1 ; K4#29.1 16.03,92.33 U1#23.1 ; K4#7.1 172.82,169.12 U1#25.1 ; U1#11.1 128.03,15.53 K4#34.1 ; U1#9.1 105.62,15.53 K4#6.1 ; K4#12.1 83.22,130.73 83.22,132.23 ; U1#12.1 172.82,92.33 K4#37.1 ; U1#8.1 150.43,92.33 K4#21.1 ; 60.82,17.03 60.82,15.53 K4#38.1 ; 172.82,132.23 172.82,130.73 K4#39.1 ; 38.42,55.43 38.42,53.93 K4#10.1 ; 60.82,170.62 60.82,169.12 K4#4.1 ; K4#33.1 105.62,92.33 U1#3.1 ; K4#16.1 128.03,169.12 U1.1 ; K4#27.1 60.82,92.33 60.82,93.83 ; K4#9.1 150.43,130.73 150.43,132.23 ; K4#15.1 172.82,53.93 U1#36.1 ; U1#16.1 150.43,15.53 K4#2.1 ; 38.42,93.83 38.42,92.33 K4.1 ; 16.03,132.23 16.03,130.73 K4#11.1 ; U1#30.1 16.03,169.12 K4#23.1 ; K4#32.1 60.82,130.73 60.82,132.23 ; K4#28.1 128.03,130.73 128.03,132.23 ; U1#26.1 83.22,15.53 K4#30.1
VUSB: length 1691.2
  Top w0.25: JP3#25.1 69.8,90.2 69.8,88.9 ; JP3#26.1 137,51.8 137,50.5 ; 47.4,165.7 47.4,167 JP3#38.1 ; JP3#32.1 114.6,13.4 114.6,12.1 ; JP3#24.1 181.8,90.2 181.8,88.9 ; JP3#17.1 69.8,51.8 69.8,50.5 ; JP3#33.1 159.4,90.2 159.4,88.9 ; 181.8,165.7 181.8,167 JP3#31.1 ; 25,88.9 25,90.2 JP3#10.1 ; JP3#34.1 92.2,13.4 92.2,12.1 ; JP3#4.1 25,51.8 25,50.5 ; 137,12.1 137,13.4 JP3#37.1 ; 69.8,12.1 69.8,13.4 JP3#23.1 ; 47.4,12.1 47.4,13.4 JP3#8.1 ; 159.4,127.3 159.4,128.6 JP3#40.1 ; JP3.1 181.8,128.6 181.8,127.3 ; 181.8,12.1 181.8,13.4 JP3#5.1 ; JP3#9.1 25,128.6 25,127.3 ; JP3#7.1 47.4,51.8 47.4,50.5 ; JP3#39.1 114.6,51.8 114.6,50.5 ; JP3#15.1 159.4,167 159.4,165.7 ; JP3#20.1 159.4,13.4 159.4,12.1 ; 114.6,165.7 114.6,167 JP3#6.1 ; 47.4,127.3 47.4,128.6 JP3#21.1 ; JP3#36.1 92.2,128.6 92.2,127.3 ; 114.6,127.3 114.6,128.6 JP3#12.1 ; 69.8,127.3 69.8,128.6 JP3#27.1 ; 137,127.3 137,128.6 JP3#19.1 ; 114.6,88.9 114.6,90.2 JP3#11.1 ; 25,12.1 25,13.4 JP3#3.1 ; 25,165.7 25,167 JP3#35.1 ; 69.8,165.7 69.8,167 JP3#13.1 ; 181.8,50.5 181.8,51.8 JP3#2.1 ; JP3#18.1 92.2,51.8 92.2,50.5 ; JP3#22.1 159.4,51.8 159.4,50.5 ; JP3#29.1 137,90.2 137,88.9 ; 47.4,88.9 47.4,90.2 JP3#14.1 ; 137,165.7 137,167 JP3#28.1 ; 92.2,88.9 92.2,90.2 JP3#30.1 ; 92.2,165.7 92.2,167 JP3#16.1
  Top w0.254: D1#39.1 161.15,60.95 161.5,60.6 161.5,59 157.85,55.35 157.85,52.05 ; 45.85,52.05 45.85,55.35 49.5,59 49.5,60.6 49.15,60.95 D1#36.1 ; D1#17.1 26.75,176.15 27.1,175.8 27.1,174.2 23.45,170.55 23.45,167.25 ; 135.45,90.45 135.45,93.75 139.1,97.4 139.1,99 138.75,99.35 D1#34.1 ; D1#25.1 116.35,137.75 116.7,137.4 116.7,135.8 113.05,132.15 113.05,128.85 ; 113.05,167.25 113.05,170.55 116.7,174.2 116.7,175.8 116.35,176.15 D1#24.1 ; D1#40.1 71.55,176.15 71.9,175.8 71.9,174.2 68.25,170.55 68.25,167.25 ; D1#33.1 116.35,99.35 116.7,99 116.7,97.4 113.05,93.75 113.05,90.45 ; D1#30.1 26.75,137.75 27.1,137.4 27.1,135.8 23.45,132.15 23.45,128.85 ; 135.45,128.85 135.45,132.15 139.1,135.8 139.1,137.4 138.75,137.75 D1#23.1 ; D1#13.1 49.15,137.75 49.5,137.4 49.5,135.8 45.85,132.15 45.85,128.85 ; 180.25,167.25 180.25,170.55 183.9,174.2 183.9,175.8 183.55,176.15 D1#15.1 ; D1#27.1 49.15,176.15 49.5,175.8 49.5,174.2 45.85,170.55 45.85,167.25 ; 135.45,167.25 135.45,170.55 139.1,174.2 139.1,175.8 138.75,176.15 D1#37.1 ; D1#28.1 71.55,60.95 71.9,60.6 71.9,59 68.25,55.35 68.25,52.05 ; 157.85,90.45 157.85,93.75 161.5,97.4 161.5,99 161.15,99.35 D1#5.1 ; 135.45,13.65 135.45,16.95 139.1,20.6 139.1,22.2 138.75,22.55 D1#21.1 ; 90.65,90.45 90.65,93.75 94.3,97.4 94.3,99 93.95,99.35 D1#11.1 ; 90.65,167.25 90.65,170.55 94.3,174.2 94.3,175.8 93.95,176.15 D1#38.1 ; 90.65,52.05 90.65,55.35 94.3,59 94.3,60.6 93.95,60.95 D1#4.1 ; 113.05,13.65 113.05,16.95 116.7,20.6 116.7,22.2 116.35,22.55 D1#22.1 ; D1#8.1 93.95,22.55 94.3,22.2 94.3,20.6 90.65,16.95 90.65,13.65 ; 135.45,52.05 135.45,55.35 139.1,59 139.1,60.6 138.75,60.95 D1#26.1 ; 157.85,167.25 157.85,170.55 161.5,174.2 161.5,175.8 161.15,176.15 D1#3.1 ; D1#29.1 183.55,60.95 183.9,60.6 183.9,59 180.25,55.35 180.25,52.05 ; D1#35.1 161.15,22.55 161.5,22.2 161.5,20.6 157.85,16.95 157.85,13.65 ; 180.25,90.45 180.25,93.75 183.9,97.4 183.9,99 183.55,99.35 D1#20.1 ; D1#6.1 26.75,99.35 27.1,99 27.1,97.4 23.45,93.75 23.45,90.45 ; D1#32.1 71.55,99.35 71.9,99 71.9,97.4 68.25,93.75 68.25,90.45 ; 45.85,90.45 45.85,93.75 49.5,97.4 49.5,99 49.15,99.35 D1#9.1 ; 68.25,128.85 68.25,132.15 71.9,135.8 71.9,137.4 71.55,137.75 D1#18.1 ; D1#16.1 49.15,22.55 49.5,22.2 49.5,20.6 45.85,16.95 45.85,13.65 ; 68.25,13.65 68.25,16.95 71.9,20.6 71.9,22.2 71.55,22.55 D1#31.1 ; D1.1 161.15,137.75 161.5,137.4 161.5,135.8 157.85,132.15 157.85,128.85 ; 113.05,52.05 113.05,55.35 116.7,59 116.7,60.6 116.35,60.95 D1#19.1 ; 180.25,128.85 180.25,132.15 183.9,135.8 183.9,137.4 183.55,137.75 D1#10.1 ; 180.25,13.65 180.25,16.95 183.9,20.6 183.9,22.2 183.55,22.55 D1#12.1 ; D1#14.1 93.95,137.75 94.3,137.4 94.3,135.8 90.65,132.15 90.65,128.85 ; 23.45,52.05 23.45,55.35 27.1,59 27.1,60.6 26.75,60.95 D1#7.1 ; 23.45,13.65 23.45,16.95 27.1,20.6 27.1,22.2 26.75,22.55 D1#2.1